# Allegro board 1155001-Timing_board_V3_20241024_1805_pcb.brd (continued)
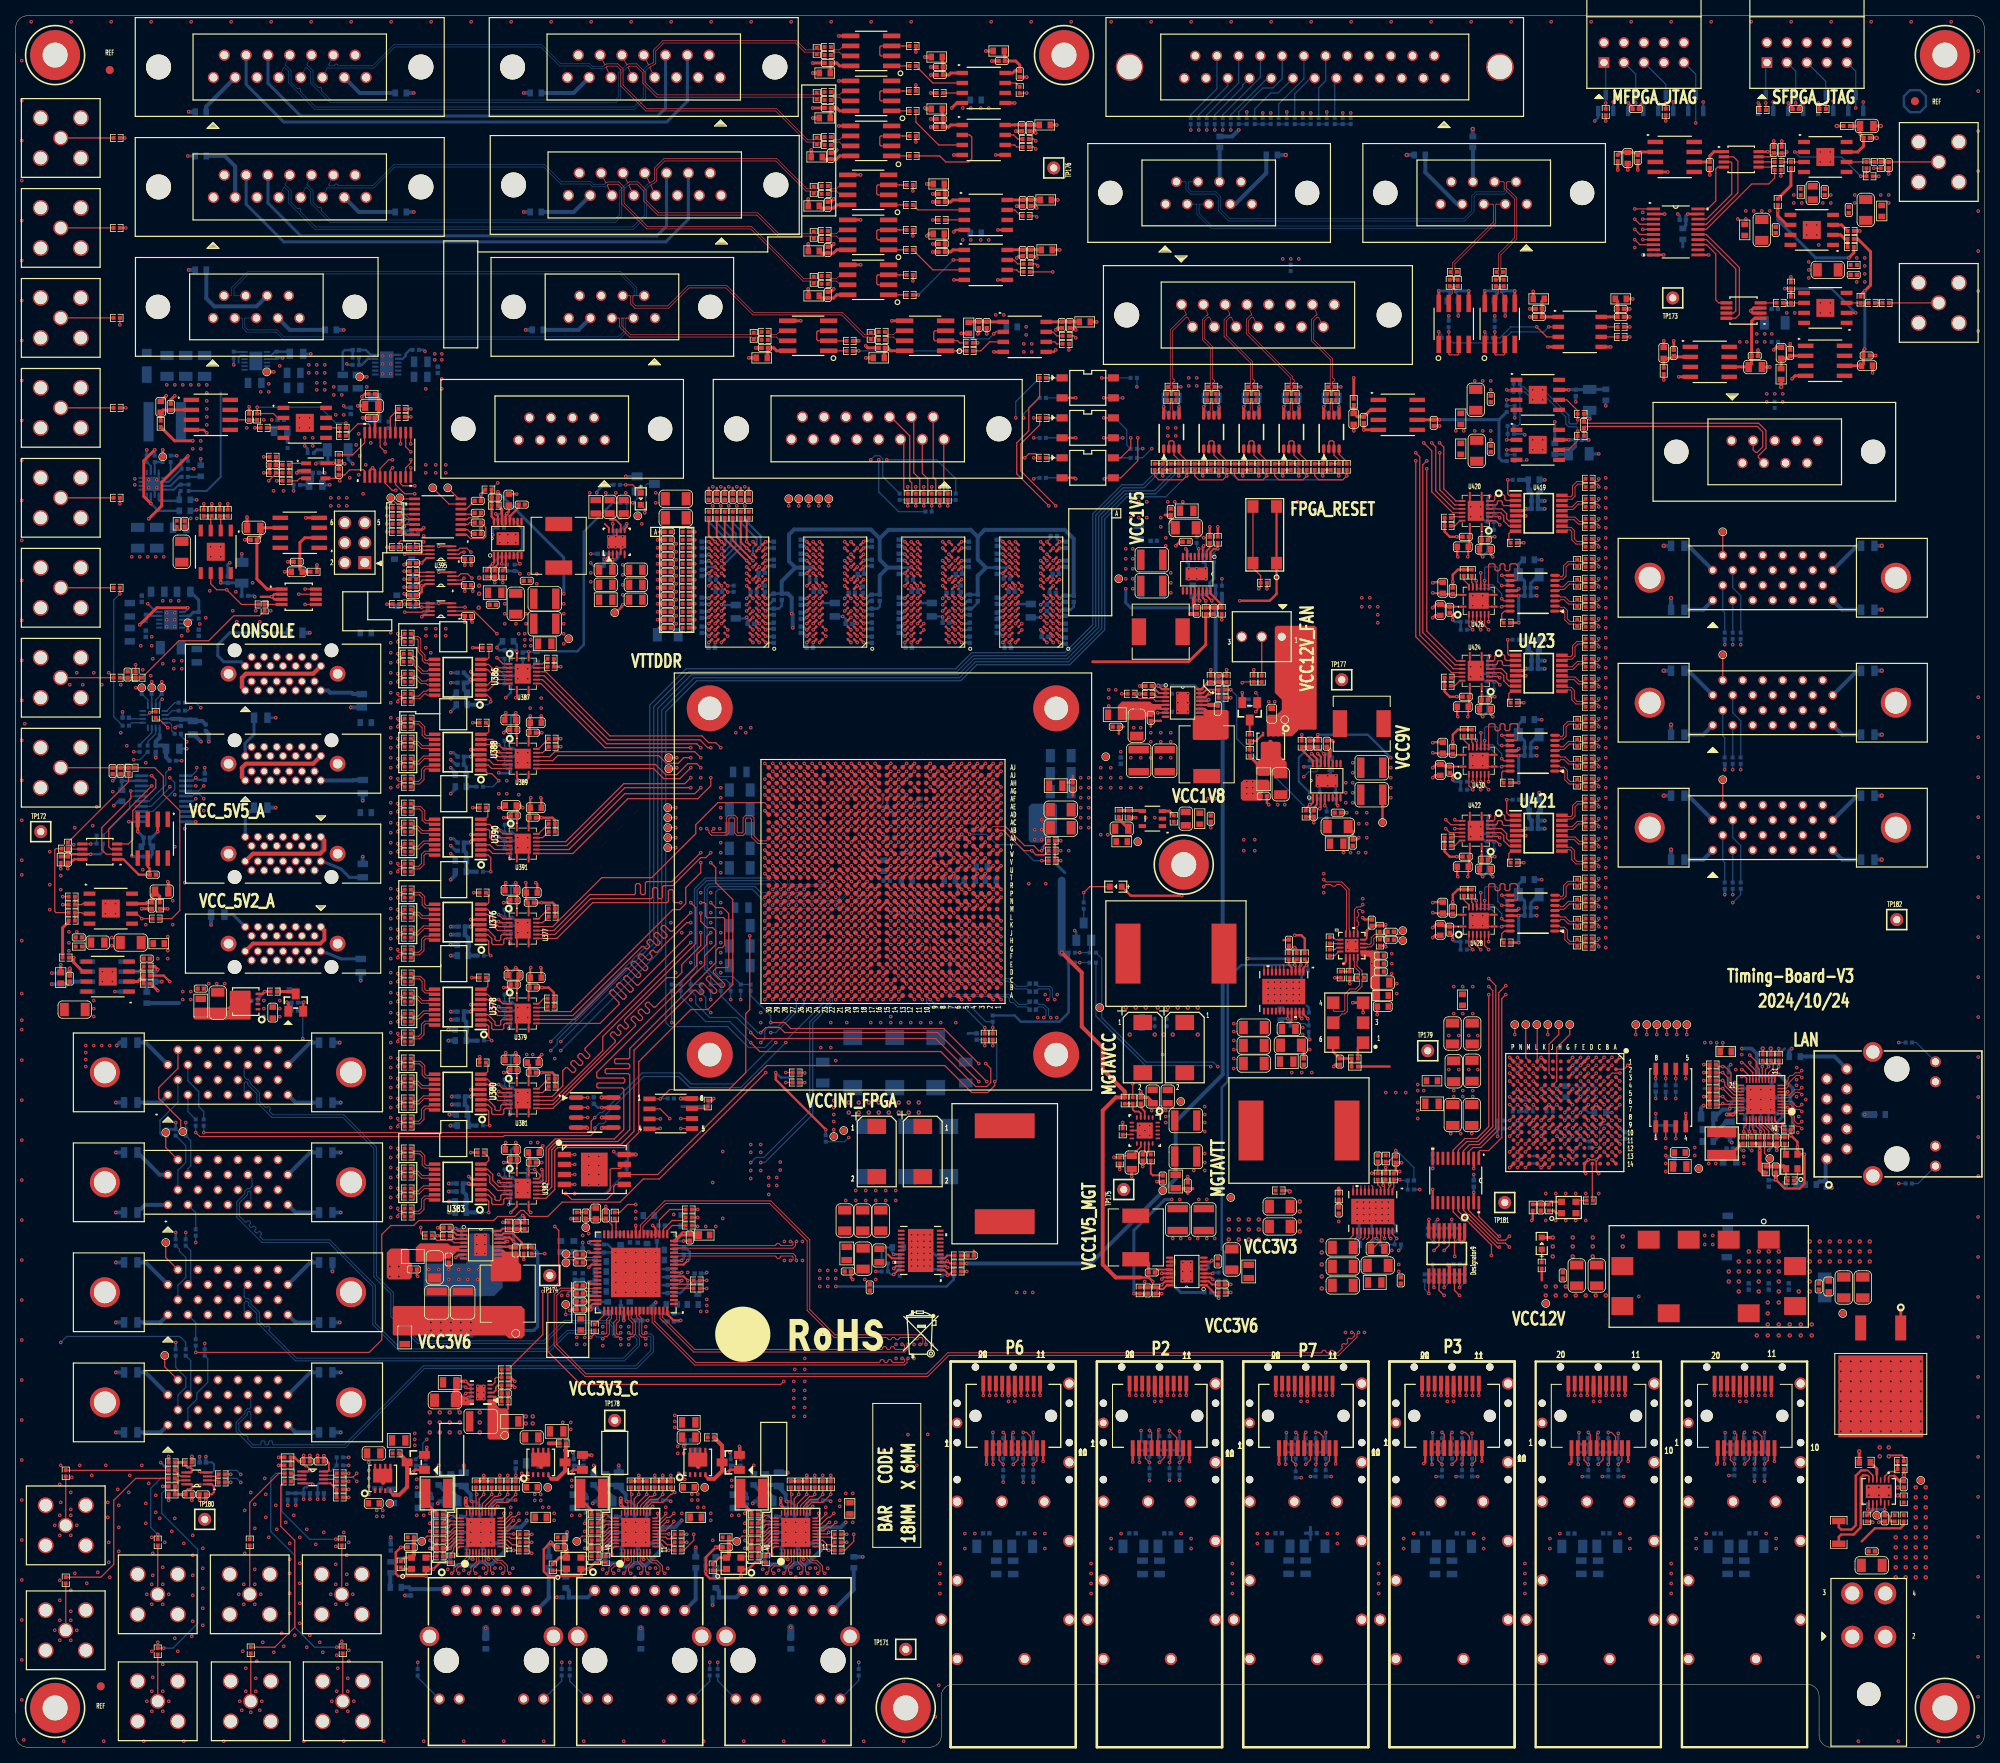
[diagram p0: board, top side]
## Routing (per net, layer and track width the routed paths; a pad name or vN(x,y) marks a point on that pad's centre or on a via; arc(x,y) is an arc through that point) (continued)
  ART03 w0.381: v1(169.42,97.03) 169.67,97.03 v1(172.21,99.57)
VCC3V3_C_PG: length 76.6
  TOP w0.157: U247.J27 v1(98.14,103) ; v1(66.93,57.91) 66.93,52.43 R1154.2
  ART10 w0.117: v1(98.14,103) 97.79,103 97.28,102.49 94.85,102.49 88.63,96.27 81.41,96.27 68.96,83.82 68.96,65.85 66.55,63.44 66.55,58.29 v1(66.93,57.91)
VCC3V3_FPGA: length 14.1
  TOP w0.305: U247.D30 v1(95.14,98) ; U247.H18 v1(107.14,102) ; U247.F14 v1(112.14,100) ; U247.A19 v1(106.14,95) ; U247.K12 v1(114.14,104) ; U247.D10 v1(116.14,98) ; U247.B26 v1(99.14,96) ; U247.A29 v1(96.14,95) ; U247.G11 v1(115.14,102) ; U247.G21 v1(104.14,101) ; U247.F24 v1(101.14,100) ; U247.H28 v1(97.14,102) ; U247.L19 v1(106.14,105) ; U247.C23 v1(102.14,97) ; U247.E27 v1(98.14,99) ; U247.E17 v1(108.14,99) ; U247.C13 v1(113.14,97) ; U247.B16 v1(109.14,96) ; U247.D20 v1(105.14,98) ; U247.J15 v1(111.14,103)
VCC3V3_FPGA_1_ETH:
  vias: v1(45.85,30.1) v1(45.85,29.34) v1(46.61,30.1) v1(46.61,29.34) v1(52.58,27.43) v1(53.72,35.81) v1(62.48,34.54) v1(66.93,30.48) v1(67.69,30.48)
VCC3V3_FPGA_1_ETH_TCT: length 1.9
  BOTTOM w0.508: R2785.2 47.56,22.09 L431.2
VCC3V3_FPGA_2_ETH: length 2.8
  TOP w0.381: R2482.1 R2481.1 ; R2481.1 R2478.1 ; R2481.1 v1(82.17,34.54)
  vias: v1(65.91,32.13) v1(65.91,31.37) v1(66.67,32.13) v1(66.67,31.37) v1(72.26,27.43) v1(73.41,35.81) v1(86.61,30.48) v1(87.38,30.48)
VCC3V3_FPGA_2_ETH_TCT: length 1.1
  BOTTOM w0.508: R2563.2 L374.2
VCC3V3_FPGA_3_ETH:
  vias: v1(85.85,32.17) v1(85.85,31.41) v1(86.61,32.17) v1(86.61,31.41) v1(88.52,26.29) v1(92.58,27.43) v1(93.73,35.81) v1(102.49,34.54) v1(104.65,31.37) v1(104.65,30.61)
VCC3V3_FPGA_3_ETH_TCT: length 1.1
  BOTTOM w0.508: R2564.2 L375.2
VCC3V3_PG: length 100
  TOP w0.157: U247.M20 v1(105.14,106)
  ART05 w0.117: v1(105.14,106) U247.M20 105.64,109.19 105.94,109.5 108.23,109.5 109.32,110.59 129.94,110.59 v1(130.81,109.72)
  ART08 w0.117: v1(130.81,109.72) 130.81,106.81 136.14,101.47 136.14,97.66 142.81,91 142.81,89.98 145.8,87 170.18,87 172.21,84.96 v1(172.21,72.94)
  BOTTOM w0.157: R1090.2 v1(172.21,72.94)
VCC3V3_S_FPGA: length 12.6
  TOP w0.305: U88.N13 v1(190.72,74.65) ; U88.K13 v1(193.72,74.65) ; U88.N8 v1(190.72,79.65) ; U88.G13 v1(197.72,74.65) ; U88.N6 v1(190.72,82.64)
  BOTTOM w0.254: C782.1 191.23,82.17 192.22,82.17 C790.1
  BOTTOM w0.305: C782.1 191.19,82.18 v1(190.72,82.64) 190.26,82.18 C786.1 ; C781.1 191.23,79.14 v1(190.72,79.65) 190.25,79.17 C789.1 ; C779.1 194.2,75.12 v1(193.72,74.65) 193.25,75.12 C787.1 193.24,75.12 C785.1 ; C783.1 191.16,74.2 v1(190.72,74.65) 190.28,74.2 C788.1 ; C778.1 197.22,75.15 v1(197.72,74.65) 198.22,75.14 C780.1
  vias: v1(182.63,83.44) v1(183.77,83.44) v1(185.04,83.44)
VCC3V3_SFPGA_ETH: length 14.7
  TOP w0.356: R865.1 R850.1
  TOP w0.381: R863.1 R862.1 ; R862.1 v1(214.38,85.72) ; R862.1 R857.1 ; v1(221.49,75.82) R865.1
  TOP w0.508: L45.2 221.89,73.01 221.49,73.41 v1(221.49,75.82)
  BOTTOM w0.356: R860.1 R861.1 R864.1 214.38,83.69 ; v1(221.49,75.82) R865.1 R850.1 ; R849.1 R851.1 223.92,88.03 224.66,88.77
  vias: v1(213.23,76.2) v1(213.23,75.18) v1(214.5,89.53) v1(215.26,89.53)
VCC3V3_SFPGA_ETH_TCT: length 1.1
  BOTTOM w0.508: L44.2 R833.2
VCC3V6_PG: length 58.6
  TOP w0.157: U247.H29 v1(96.14,102) ; v1(67.18,62.72) R1141.1
  ART10 w0.117: v1(67.18,62.72) 69.34,64.88 69.34,83.69 81.53,95.89 88.83,95.89 94.41,101.47 95.25,101.47 95.78,102 v1(96.14,102)
VCC5V: length 3.6
  TOP w0.356: L397.1 v1(18.67,33.15)
  TOP w0.381: L399.1 v1(33.38,35.81)
  BOTTOM w0.305: L393.1 v1(18.41,36.18)
  BOTTOM w0.381: L395.1 v1(34.54,30.73)
  vias: v1(8.89,89.15) v1(8.89,88.27) v1(8.89,87.38) v1(8.89,86.49) v1(40.01,158.75) v1(40.01,157.73) v1(41.02,158.75) v1(41.02,157.73) v1(42.04,158.75) v1(42.04,157.73) v1(51.82,153.92) v1(51.82,153.16) v1(63.88,141.48) v1(64.64,141.48) v1(64.64,140.72) v1(64.64,139.95) v1(65.41,140.72) v1(65.41,139.95)
VCC5V2_A: length 12.3
  TOP w0.305: L332.1 v1(5.71,111.63)
  TOP w0.381: L527.1 v1(169.93,173.99) ; L507.1 v2(224.2,172.85) ; L496.1 v1(203.45,200.41) ; L335.1 v1(38.25,150.22) ; L497.2 v1(224.28,204.09) ; L510.1 v1(209.3,173.74)
  BOTTOM w0.305: L336.2 13.02,120.2 v1(12.45,119.63) ; L47.1 v1(21.08,125.35)
  BOTTOM w0.381: L331.1 14.86,113.16 v1(14.73,113.28) ; L498.2 211.71,190.63
  vias: v1(40.39,172.85) v1(40.39,171.83) v1(41.4,171.83) v1(128.02,178.31) v1(128.02,177.29) v1(129.03,178.31) v1(129.03,177.29)
VCC5V_AD7680_ACS: length 9.8
  TOP w0.381: U443.1 220.83,181.56 220.45,181.18 C3112.2 220.45,175.75 C3113.1 220.05,175.39 U444.6
VCC5V_MAX5216_VREF: length 4.7
  TOP w0.381: U434.1 215.68,202.72 215.14,202.18 C3083.2 215.12,201.42 U433.6
VCC5V_PG: length 103.8
  TOP w0.157: U247.J28 v1(97.14,103)
  ART03 w0.117: v1(61.21,160.66) 59.94,160.66 54.15,154.86 54.15,140.54 55.58,139.12 55.58,137.46 56.34,136.7 56.34,134.67 57.66,133.35 57.66,131.95 58.67,130.94 58.67,116.93 61.81,113.79 68.45,113.79 v1(83.82,98.42)
  ART05 w0.102: v1(97.14,103) 96.74,103.4 94.89,103.4 94.61,103.12 94.36,103.12
  ART05 w0.117: 94.36,103.12 93.98,103.12 92.38,101.53 86.92,101.53 v1(83.82,98.42)
  BOTTOM w0.157: v1(61.21,160.66) 60.45,159.89 60.45,156.46 60.93,155.98 R2281.1
VCC9V: length 27.2
  TOP w0.254: U114.14 165.75,125.85 v1(165.35,126.24)
  TOP w0.305: TP42.1 173.58,121 C1169.1
  TOP w0.381: C1167.2 R1055.2 v1(165.35,128.65)
  ART08 w0.305: v1(174.62,124.46) 167.13,124.46 v1(165.35,126.24)
  BOTTOM w0.305: v1(174.62,125.73) 171.7,128.65 v1(165.35,128.65)
  vias: v1(174.62,123.19) v1(174.62,121.92) v1(174.62,120.65)
VCC9V_PG: length 75.6
  TOP w0.157: U247.J22 v1(104.14,103)
  ART03 w0.117: v1(157.35,115.32) 156.46,116.2 139.65,116.2 134.21,110.76 126.7,110.76 125.4,109.46 106.92,109.46 106.68,109.22 106.68,108.84 106.39,108.55 105.5,108.55 104.71,107.75 104.71,103.57 v1(104.14,103)
  ART08 w0.117: v1(157.35,115.32) 163.58,121.54 v1(163.58,123.32)
  BOTTOM w0.157: R1088.1 165.35,124.13 165.17,123.94 164.2,123.94 v1(163.58,123.32)
VCC10V_A: length 28.7
  TOP w0.381: L271.1 20.17,165.99 v1(22.48,165.99) ; L483.2 v1(5.71,99.44) ; L500.2 v2(231.27,205.99) ; v1(19.3,106.53) L322.1
  ART03 w0.508: v2(231.27,205.99) 222.63,205.99
  ART05 w0.381: 23.35,146.18 v1(30.35,146.18)
  BOTTOM w0.381: L531.2 v1(201.93,170.43) ; L529.2 v1(195.45,168.4) ; L478.1 30.23,146.3 v1(30.35,146.18) ; L267.1 37.06,164.99 v1(36.7,165.35)
  vias: v1(20.07,138.05) v1(20.07,137.03) v1(21.08,138.05) v1(21.08,137.03) v1(22.48,164.97) v1(23.5,165.99) v1(23.5,164.97) v1(36.7,166.37) v1(37.72,166.37) v1(37.72,165.35) v1(148.97,173.99) v1(148.97,172.97) v1(149.99,173.99) v1(149.99,172.97) v1(218.69,194.18) v1(218.95,178.56) v1(219.71,195.2) v1(219.71,194.18) v1(219.84,178.56) v1(221.11,178.56) v1(222.12,178.56)
VCC12V: length 21.4
  TOP w0.305: R2050.1 193.8,59.31
  BOTTOM w0.305: v1(104.14,58.55) 118.24,58.55 119.13,59.44 R1045.1
  BOTTOM w0.508: L482.1 20.74,94.55
  vias: v1(21.21,96.01) v1(21.21,95) v1(22.23,96.01) v1(22.23,95) v1(52.07,162.94) v1(52.07,161.93) v1(53.21,177.04) v1(53.21,176.28) v1(53.34,162.94) v1(53.34,161.93) v1(54.1,177.04) v1(54.1,176.28) v1(54.61,162.94) v1(54.61,161.93) v1(102.11,60.58) v1(102.11,59.56) v1(102.11,58.55) v1(103.12,60.58) v1(103.12,59.56) v1(103.12,58.55) v1(104.14,60.58) v1(104.14,59.56) v1(138.81,134.37) v1(138.81,133.34) v1(138.81,132.3) v1(139.7,134.36) v1(146.3,158.24) v1(147.19,158.24) v1(148.21,158.24) v1(156.34,122.68) v1(156.34,121.92) v1(156.34,121.16) v1(157.1,122.68) v1(157.1,121.92) v1(157.1,121.16) v1(162.05,85.72) v1(163.32,85.72) v1(164.59,85.72) v1(168.63,113.68) v1(169.52,113.68) v1(170.53,113.68) v1(171.45,113.67) v1(206.12,57.28) v2(47.5,61.09) v2(47.5,59.82) v2(48.64,61.09) v2(48.64,59.82) v2(58.8,144.78) v2(58.85,148.59) v2(58.85,147.57) v2(58.85,146.56) v2(194.31,58.55) v2(194.31,57.4) v2(195.58,58.55) v2(195.58,57.4) v2(196.85,58.55) v2(196.85,57.4) v2(198.12,57.4) v2(199.39,57.4) v2(200.66,57.4) v2(201.93,57.4)
VCC12V_EDS_ON:
  vias: v1(31.51,94.88) v1(31.51,93.86) v1(33.53,94.87) v1(33.53,93.85)
VCC12V_EDS_ON_EN: length 79.3
  TOP w0.122: U247.M23 v1(102.14,106)
  ART08 w0.117: v1(84.58,103.5) 84.58,104.14 83.44,105.28 69.22,105.28 65.53,101.6 59.33,101.6 49.38,91.64 44.53,91.64 42.93,90.04 v1(36.45,90.04)
  ART10 w0.117: v1(84.58,103.5) 85.34,102.74 92.08,102.74 94.83,105.5 101.64,105.5 v1(102.14,106)
  BOTTOM w0.157: v1(36.45,90.04) 36.45,92.98 R3327.2
VCC12V_FAN_EN: length 77.8
  TOP w0.157: U247.P19 v1(107.14,109)
  ART03 w0.117: v1(107.14,109) 107.59,108.55 132.52,108.55 139.8,115.82 156.08,115.82 156.72,115.19 156.72,114.55 v1(157.35,113.92)
  ART08 w0.117: v1(157.35,113.92) 156.59,114.68 156.59,115.4 155.65,116.34 155.65,132.15 v1(157.48,133.99)
  BOTTOM w0.157: R1197.2 157.75,133.71 v1(157.48,133.99)
VCC12V_IN: length 13.7
  TOP w0.254: R1040.1 239.8,36.81 239.52,37.08 237.96,37.08
  TOP w0.305: R1033.1 235.73,28.68 v1(235.84,28.57)
  ART03 w0.381: v2(236.73,36.96) 234.44,34.67 234.44,28.96 234.82,28.57 v1(235.84,28.57)
  vias: v2(218.82,57.91) v2(221.11,52.32) v2(221.36,57.91) v2(222.5,56.52) v2(222.5,55.12) v2(222.5,53.72) v2(222.5,52.32) v2(223.9,57.91) v2(223.9,56.52) v2(223.9,53.72) v2(223.9,52.32) v2(225.3,53.72) v2(225.3,52.32) v2(226.44,57.91) v2(226.69,53.72) v2(226.69,52.32) v2(227.84,57.91) v2(228.09,53.72) v2(228.09,52.32) v2(236.73,38.1) v2(237.87,38.1) v2(237.87,36.96)
VCC12V_IN_CON: length 18.8
  TOP w0.203: U112.6 235.35,34.4 235.2,34.54 234.95,34.54
  TOP w0.305: 234.44,26.16 236.09,27.81 239.34,27.81 239.78,28.24 R1037.1 ; R1034.1 231.52,26.72 231.83,27.03 233.41,27.03 234.31,27.93 234.31,34.24 234.62,34.54 234.95,34.54
VCC-2V5_VREF: length 5
  TOP w0.381: R3113.2 6.71,104.88 5.95,104.12 R3130.2
VCC-2V5_VREF_ACS: length 4.6
  TOP w0.381: R3340.2 225.44,198.41 R3284.1
VCC-10V4_A: length 17.1
  BOTTOM w0.229: 28.3,175.91 28.3,176.6 28.52,176.82 U239.5
  BOTTOM w0.254: R3124.1 24.24,159.62 26.04,161.42 26.04,172.13
VCC-10V_A: length 0.8
  BOTTOM w0.381: L268.1 v1(35.29,159.64)
  vias: v1(6.75,102.22) v1(6.75,101.2) v1(19.3,103) v1(19.3,101.22) v1(32.75,159.64) v1(34.02,159.64) v1(38.23,173.35) v1(38.23,172.47) v1(39.24,173.35) v1(39.24,172.47) v1(146.3,167.64) v1(146.3,166.62) v1(147.32,167.64) v1(147.32,166.62) v1(182.88,167.26) v1(183.9,167.26) v1(225.81,197.23) v1(225.81,196.22) v1(226.82,196.22) v1(233.81,189.23) v1(234.82,189.23) v1(234.82,188.21) v1(236.85,197.23) v1(237.87,197.23) v1(237.87,196.22)
VCC_BPSI: length 24.8
  TOP w0.508: J77.1 28.71,134.71 28.71,135.89 29.22,136.4 37.77,136.4 J77.26
  BOTTOM w0.508: J77.26 37.77,136.4 29.34,136.4 28.83,135.89 28.83,134.59 J77.1
VCC_BPSR: length 24.6
  TOP w0.508: J80.26 30.13,113.54 38.69,113.54 39.19,114.05 39.19,115.22 J80.1
  BOTTOM w0.508: J80.26 30.13,113.54 38.48,113.54 38.99,114.05 38.99,115.43 J80.1
VCC_BPSR2: length 24.8
  TOP w0.508: J104.1 28.71,123.28 28.71,124.46 29.22,124.97 37.77,124.97 J104.26
  BOTTOM w0.508: J104.1 28.83,123.16 28.83,124.46 29.34,124.97 37.77,124.97 J104.26
VCC_EDS: length 12.5
  TOP w0.508: J81.26 30.13,102.11 38.69,102.11 39.19,102.62 39.19,103.79 J81.1
VCCAUX: length 8.6
  TOP w0.305: U247.C10 v1(116.14,97) ; U247.V11 v1(115.14,113) ; U247.V13 v1(113.14,113) ; U247.W14 v1(111.14,114) ; U247.V15 v1(111.14,113) ; U247.T13 v1(113.14,111) ; U247.P13 v1(113.14,108) ; U247.W12 v1(114.14,114) ; U247.W10 v1(116.14,114)
  BOTTOM w0.305: v1(115.14,113) U247.V11 C420.1 ; v1(113.14,113) 112.62,112.49 C422.1 ; v1(113.14,108) 112.67,108.47 C419.1
  vias: v1(129.41,116.59) v1(129.41,115.32) v1(130.3,117.86) v1(130.3,116.59) v1(130.3,115.32)
VCCINT_FPGA: length 32.4
  TOP w0.254: R1047.2 v1(120.78,60.45)
  TOP w0.305: U247.M13 v1(113.14,106) ; U247.U16 v1(109.14,112) ; U247.N12 v1(114.14,107) ; U247.W18 v1(108.14,113) U247.V17 ; U247.P17 v1(108.14,108) ; U247.R12 v1(114.14,109) ; U247.T11 v1(115.14,111) ; U247.M11 v1(115.14,106) ; U247.M17 v1(108.14,106) ; U247.M15 v1(111.14,106) ; U247.U10 v1(116.14,112) ; U247.N10 v1(116.14,107) ; U247.R10 v1(116.14,109) ; U247.R16 v1(109.14,109) ; U247.P11 v1(115.14,108) ; U247.U18 v1(107.14,112) ; U247.R18 v1(108.14,110) ; U247.N14 v1(112.14,107) ; U247.W16 v1(109.14,114) ; U247.N16 v1(109.14,107) ; U247.U12 v1(114.14,112) ; U247.N18 v1(107.14,107) ; U247.T17 v1(108.14,111)
  ART03 w0.305: v2(110.87,80.64) 111.12,80.39
  ART03 w0.381: v1(120.78,60.45) 123.32,62.99
  BOTTOM w0.305: C152.1 108.68,109.46 v1(109.14,109) ; C151.1 107.64,108.5 v1(108.14,108) 107.66,107.52 C500.1 107.17,107 v1(107.14,107) ; C498.1 108.67,111.53 v1(109.14,112) ; v1(112.14,107) 112.64,106.5 C497.1 ; C501.1 113.61,106.47 v1(113.14,106) ; C153.1 111.61,106.47 v1(111.14,106) ; v1(107.14,112) 107.61,111.53 C503.1 ; v1(114.14,109) 114.64,108.5 C496.1 ; v1(114.14,107) 114.64,106.5 C504.1 ; v1(108.14,113) 107.64,113.5 C502.1 ; C499.1 107.64,109.5 v1(108.14,110) ; C495.1 115.64,108.5 v1(116.14,109) ; v1(109.14,114) 108.67,113.53 C150.1
  vias: v1(178.05,81.92) v1(178.05,80.9) v1(178.05,79.88) v2(105.79,81.92) v2(105.79,80.64) v2(107.06,81.92) v2(107.06,80.64) v2(108.33,81.92) v2(108.33,80.64) v2(109.6,81.92) v2(109.6,80.64) v2(110.87,81.92) v2(112.14,81.92) v2(112.14,80.64) v2(113.41,81.92) v2(113.41,80.64) v2(114.68,81.92) v2(114.68,80.64)
VCCINT_FPGA_PG: length 124.8
  TOP w0.157: R1059.1 v1(140.46,133.86)
  TOP w0.254: R1041.2 118.64,61.47 v1(118.31,61.8) 118.13,61.62 U113.3
  ART05 w0.305: v1(118.31,61.8) 119.76,63.25 119.76,81.79 121.28,83.31 121.28,88.27 123.83,90.81 138.94,90.81 141.73,88.01 v1(145.67,88.01)
  ART08 w0.305: v1(145.67,88.01) 156.46,98.81 v1(156.46,100.2) 156.46,110.87 153.92,113.41 153.92,129.92 151.64,132.21 142.11,132.21 v1(140.46,133.86)
  BOTTOM w0.305: R1101.2 v1(156.46,100.2)
VCCINT_S_FPGA: length 14.3
  TOP w0.305: U88.K8 v1(193.72,79.65) ; U88.D6 v1(200.72,82.64) ; U88.E7 v1(199.72,81.64) ; U88.F6 v1(198.72,82.64) ; U88.G5 v1(197.72,83.64) ; U88.E9 v1(199.72,78.65) ; U88.J5 v1(194.72,83.64) ; U88.J9 v1(194.72,78.65) ; U88.H6 v1(195.72,82.64) ; U88.E5 v1(199.72,83.64) ; U88.G9 v1(196.72,78.65) ; U88.D8 v1(200.72,79.65) ; U88.K6 v1(193.72,82.64)
  BOTTOM w0.305: v1(193.72,82.64) 194.22,83.14 C759.1 ; C767.1 200.2,78.17 v1(199.72,78.65) ; v1(200.72,82.64) 200.22,83.15 C757.1 ; C753.1 198.22,83.15 v1(198.72,82.64) 199.22,83.14 C754.1 ; C758.1 U88.J5 v1(195.72,82.64) ; v1(196.72,78.65) 197.23,78.14 C768.1
  vias: v1(182.63,82.68) v1(183.77,82.68) v1(185.04,82.68)
ACS_ANALOG_OUT: length 7.4
  TOP w0.157: R3398.2 C3114.2 J126.1
ACS_ANALOG_OUT_DB: length 61.9
  TOP w0.157: R3398.1 v1(235.97,200.62)
  ART05 w0.117: v1(191.9,163.58) 196.22,163.58 227.97,195.33 230.67,195.33 v1(235.97,200.62)
  BOTTOM w0.157: v1(191.9,163.58) 191.75,163.43 R3410.1
ACS_ANALOG_OUT_DB_N: length 29.4
  TOP w0.157: J130.7 221.32,163.88 221.32,164.1 222.28,165.06 222.28,167.3 221.35,168.22 199.35,168.22 C3151.1 R3402.2
ACS_ANALOG_OUT_DB_P: length 28.8
  TOP w0.157: J130.2 220.65,164.84 220.96,164.54 221.18,164.54 221.87,165.23 221.87,167.13 221.18,167.82 199.35,167.82 C3151.2 R3409.2
ACS_VREF: length 17.8
  TOP w0.381: U454.6 180.07,168.66 C3138.2 v1(180.83,168.68)
  BOTTOM w0.381: R3405.2 188.38,168.68 ; 188.38,168.68 v1(180.83,168.68) ; 188.38,168.68 188.38,163.81 188.76,163.43 R3407.2
AD5445_CSN: length 171.9
  TOP w0.157: U271.16 v1(46.92,165.61) ; U247.K19 v1(106.14,104)
  ART03 w0.117: v1(46.92,165.61) 47.34,166.03 50.5,166.03 51.03,165.51 51.03,161.67 52.63,160.07 52.63,145.16 52.9,144.89 52.9,140.8 54.82,138.88 54.82,134.86 56.97,132.72 56.97,102.81 61.67,98.12 64.06,98.12 80.64,81.53 90.42,81.53 96.14,75.82 96.14,71.88 v1(96.65,71.37)
  ART10 w0.102: v1(106.14,104) 106.68,104.54 106.68,105.16 106.92,105.4 107.3,105.4 107.54,105.17 107.54,103.52 107.66,103.4 109.3,103.4 109.58,103.13 109.58,102.51 110.54,101.55 110.54,94.79 110.32,94.57 110.32,94.5
  ART10 w0.117: v1(96.65,71.37) 98.17,71.37 104.95,78.16 104.95,83.62 110.32,88.99 110.32,94.5
AD5445_DB0: length 187.4
  TOP w0.157: v1(50.17,170.05) R2077.2 ; U247.K20 v1(105.14,104)
  ART03 w0.117: v1(50.17,170.05) 46.23,166.11 46.23,138.56 47.45,137.34 49.78,137.34 51.16,135.97 51.16,131.35 52.65,129.85 52.65,90.86 58.67,84.84 64.03,84.84 69.38,79.48 69.38,77.81 71.25,75.95 74.17,75.95 75.44,74.68 86.36,74.68 90.8,70.23 v1(95.63,70.23)
  ART10 w0.102: 110.62,94.5 110.74,94.62 110.74,101.73 109.86,102.61 109.86,103.13 109.39,103.6 107.88,103.6 107.74,103.74 107.74,105.33 107.47,105.6 105.86,105.6 105.54,105.28 105.54,104.4 v1(105.14,104)
  ART10 w0.117: 110.62,94.5 110.62,88.78 105.29,83.44 105.29,77.85 97.66,70.23 v1(95.63,70.23)
AD5445_DB1: length 165.7
  TOP w0.157: U247.H21 v1(104.14,102) ; v1(50.17,169.04) R2078.2
  ART03 w0.117: v1(50.17,169.04) 51.33,167.88 51.33,161.79 52.93,160.19 52.93,145.29 53.85,144.37 53.85,140.34 55.24,138.94 55.24,137.29 56.01,136.53 56.01,134.49 57.28,133.22 57.28,103.02 61.82,98.48 64.21,98.48 80.77,81.92 90.55,81.92 96.65,75.82 v1(96.65,72.39)
  ART10 w0.102: v1(104.14,102) 104.56,102 104.95,102.4 108.33,102.4 108.58,102.14 108.58,101.73 108.84,101.47 109.35,101.47 109.54,101.28 109.54,94.59 109.45,94.5
  ART10 w0.117: v1(96.65,72.39) 97.79,72.39 103.45,78.05 103.45,83.13 109.1,88.78 109.1,94.16 109.45,94.5
AD5445_DB2: length 168.3
  TOP w0.157: U247.H22 v1(103.14,102) ; U271.13 v1(48.87,165.61)
  ART03 w0.117: v1(48.87,165.61) 47.02,163.75 47.02,159.39 48.01,158.4 48.01,143.26 49.23,142.03 49.23,139.28 51.77,136.75 51.77,131.6 53.26,130.1 53.26,97.87 56.01,95.12 56.01,91.87 61.59,86.29 63.55,86.29 70.1,79.73 70.1,78.11 71.55,76.67 85.38,76.67 90.3,71.75 95,71.75 v1(95.63,72.39)
  ART10 w0.102: v1(103.14,102) 103.57,102 103.97,101.6 107.44,101.6 107.74,101.3 107.74,94.5
  ART10 w0.117: 107.74,94.5 107.74,94.43 107.56,94.25 107.56,88.77 102.56,83.77 102.56,80.44 96.52,74.39 96.52,73.28 v1(95.63,72.39)
AD5445_DB3: length 147.5
  TOP w0.157: v1(50.17,164.59) 49.52,165.24 U271.12 ; U247.D21 v1(104.14,98)
  ART03 w0.117: v1(93.34,74.3) 88.59,79.05 80.59,79.05 64.01,95.63 61.59,95.63 56.01,101.22 55.12,101.22 54.79,101.55 54.79,130.76 53.29,132.26 53.29,137.41 50.76,139.94 50.76,142.86 50.5,143.13 50.5,150.98 50.19,151.28 50.19,158.57 49.63,159.13 49.63,164.05 v1(50.17,164.59)
  BOTTOM w0.102: v1(104.14,98) 104.1,98 103.54,97.44 103.54,94.83 103.2,94.5
  BOTTOM w0.157: 103.2,94.5 100.84,92.14 100.84,80.77 95,74.93 93.98,74.93 v1(93.34,74.3)
AD5445_DB4: length 150.8
  TOP w0.157: U247.C21 v1(104.14,97) ; v1(50.17,165.61) U271.11
  ART03 w0.117: v1(94.61,74.3) 94.11,73.79 90.3,73.79 85.89,78.19 72.18,78.19 71.63,78.75 71.63,80.26 64.15,87.74 64.15,89.01 54.48,98.68 54.48,130.63 52.98,132.13 52.98,137.29 50.46,139.81 50.46,142.74 50.19,143 50.19,150.85 49.89,151.16 49.89,158.44 49.33,159 49.33,164.77 v1(50.17,165.61)
  BOTTOM w0.102: v1(104.14,97) 104.09,97 103.74,96.65 103.74,94.56 103.68,94.5
  BOTTOM w0.157: v1(94.61,74.3) 95.12,74.3 101.22,80.39 101.22,92.04 103.68,94.5
AD5445_DB5: length 145.2
  TOP w0.157: v1(50.17,162.56) U271.10 ; U247.G22 v1(103.14,101)
  ART03 w0.117: v1(94.61,75.59) 94.59,75.59 94.11,76.07 94.11,76.58 89.92,80.77 80.39,80.77 63.77,97.39 61.36,97.39 56.36,102.39 56.36,131.47 54.21,133.62 54.21,138.62 52.12,140.72 51.94,140.72 51.68,140.98 51.68,142.49 52.02,142.82 52.02,150.93 51.1,151.84 51.1,160.73 50.17,161.67 v1(50.17,162.56)
  ART10 w0.102: 104.74,94.5 104.74,98.25 104.39,98.6 103.97,98.6 103.74,98.83 103.74,100.4 v1(103.14,101)
  ART10 w0.117: v1(94.61,75.59) 99.53,80.51 99.53,85.81 101.8,88.07 101.8,91.39 104.74,94.32 104.74,94.5
AD5445_DB6: length 143.9
  TOP w0.157: v1(50.17,163.58) 50.17,163.2 49.52,162.55 U271.9 ; U247.F22 v1(103.14,100)
  ART03 w0.117: v1(50.17,163.58) 50.72,163.02 50.72,161.54 52.32,159.94 52.32,145.03 52.58,144.78 52.58,140.69 54.52,138.75 54.52,134.74 56.67,132.59 56.67,102.6 61.51,97.75 63.92,97.75 80.52,81.15 90.04,81.15 v1(94.61,76.58)
  ART10 w0.102: 104.44,94.5 104.44,94.74 104.54,94.83 104.54,98.17 104.3,98.4 103.86,98.4 103.54,98.72 103.54,99.6 v1(103.14,100)
  ART10 w0.117: 104.44,94.5 104.44,94.45 101.51,91.51 101.51,88.2 99.24,85.93 99.24,81.21 v1(94.61,76.58)
AD5445_DB7: length 139.8
  TOP w0.157: U271.8 48.87,160.55 49.15,160.27 v1(50.67,160.27) ; U247.D22 v1(103.14,98)
  ART03 w0.117: v1(50.67,160.27) 50.16,159.77 50.16,159.13 50.5,158.8 50.5,151.43 50.8,151.13 50.8,143.26 51.07,142.99 51.07,140.08 53.59,137.55 53.59,132.38 55.75,130.23 55.75,101.98 61.74,95.99 64.15,95.99 80.75,79.4 89.54,79.4 v1(93.34,75.59)
  ART10 w0.102: v1(103.14,98) 103.74,97.4 103.74,94.5
  ART10 w0.117: v1(93.34,75.59) 93.85,76.1 93.85,77.34 98.95,82.44 98.95,86.05 101.21,88.32 101.21,91.63 103.74,94.16 103.74,94.5
AD5445_DB8: length 136.8
  TOP w0.157: v1(50.67,159.26) 49.4,159.26 48.22,160.44 U271.7 ; U247.C22 v1(103.14,97)
  ART03 w0.117: v1(93.34,76.58) 89.53,80.39 80.26,80.39 63.63,97.03 61.21,97.03 56.06,102.18 56.06,131.35 53.91,133.49 53.91,138.5 52.07,140.34 51.82,140.34 51.37,140.78 51.37,143.19 51.1,143.46 51.1,151.33 50.8,151.64 50.8,159.13 v1(50.67,159.26)
  ART10 w0.102: 103.44,94.5 103.44,94.62 103.54,94.71 103.54,96.6 v1(103.14,97)
  ART10 w0.117: v1(93.34,76.58) 93.34,77.47 98.65,82.78 98.65,86.17 100.92,88.44 100.92,91.75 103.44,94.28 103.44,94.5
AD5445_DB9: length 157.8
  TOP w0.157: v1(47.85,162.56) 47.57,162.28 U271.6 ; U247.F21 v1(104.14,100)
  ART03 w0.117: v1(94.61,73.28) 94.11,72.77 90.3,72.77 85.64,77.43 71.86,77.43 70.87,78.43 70.87,80 63.85,87.01 61.9,87.01 56.77,92.14 56.77,95.38 53.87,98.27 53.87,130.35 52.37,131.85 52.37,137.03 49.85,139.56 49.85,142.43 48.62,143.66 48.62,158.65 47.62,159.64 47.62,162.33 v1(47.85,162.56)
  ART10 w0.102: 106.3,94.6 106.54,94.83 106.54,100.17 106.3,100.4 104.54,100.4 v1(104.14,100)
  ART10 w0.117: 106.3,94.6 106.3,93.73 105.03,92.46 105.03,88.9 101.45,85.32 101.45,80.96 95.25,74.76 95.25,74.17 94.61,73.53 v1(94.61,73.28)
AD5445_DB10: length 151.5
  TOP w0.157: U271.5 46.92,160.6 47.82,159.7 v1(48.26,159.7) ; U247.E21 v1(104.14,99)
  ART03 w0.117: v1(48.26,159.7) 48.92,159.04 48.92,151.36 49.89,150.39 49.89,142.88 50.15,142.61 50.15,139.69 52.68,137.16 52.68,131.98 54.18,130.48 54.18,98.48 57.15,95.5 57.15,92.27 62.05,87.38 64,87.38 71.25,80.13 71.25,78.59 72.02,77.81 85.76,77.81 90.3,73.28 v1(93.34,73.28)
  ART10 w0.102: 105.2,94.5 105.54,94.83 105.54,98.43 105.41,98.55 104.9,98.55 104.45,99 v1(104.14,99)
  ART10 w0.117: v1(93.34,73.28) 93.8,73.74 93.8,74.75 94.21,75.16 94.79,75.16 100.71,81.08 100.71,85.72 102.87,87.88 102.87,89.28 104.27,90.68 104.27,93.09 105.16,93.98 105.16,94.45 105.2,94.5
AD5445_DB11: length 158.9
  TOP w0.157: U247.F20 v1(105.14,100) ; U271.4 46.27,162.47 47.37,163.58 v1(47.85,163.58)
  ART03 w0.117: v1(47.85,163.58) 47.32,163.04 47.32,159.51 48.31,158.52 48.31,143.46 49.54,142.23 49.54,139.44 52.07,136.91 52.07,131.73 53.57,130.23 53.57,98.07 56.39,95.25 56.39,92.01 61.75,86.65 63.7,86.65 70.48,79.87 70.48,78.27 71.71,77.05 85.51,77.05 90.3,72.26 v1(93.34,72.26)
  ART10 w0.102: 105.74,94.62 105.74,99.4 v1(105.14,100)
  ART10 w0.117: v1(93.34,72.26) 94.13,73.05 94.13,74.57 94.36,74.8 94.87,74.8 101.1,81.03 101.1,85.61 104.65,89.15 104.65,92.58 105.74,93.67 105.74,94.62
AD5445_R_WN: length 175.9
  TOP w0.157: U247.L18 v1(107.14,105) ; U271.17 46.27,165.24 v1(46.92,164.59)
  ART03 w0.117: v1(46.92,164.59) 46.71,164.38 46.71,159.03 47.7,158.04 47.7,144.4 47.12,143.81 47.12,140.08 47.5,139.7 48.77,139.7 48.93,139.54 48.93,139.16 51.46,136.63 51.46,131.47 52.96,129.98 52.96,91.06 58.82,85.2 64.18,85.2 69.76,79.62 69.76,77.97 71.4,76.33 85.22,76.33 90.17,71.37 v1(95.63,71.37)
  ART10 w0.102: v1(107.14,105) 107.14,104.6 106.74,104.2 106.74,102.83 106.97,102.6 109.11,102.6 109.74,101.97 109.74,94.5
  ART10 w0.117: v1(95.63,71.37) 96.14,71.88 98.04,71.88 104.52,78.35 104.52,83.69 109.44,88.61 109.44,93.95 109.74,94.25 109.74,94.5
AD5592_1_SPI_CLK: length 105.6
  TOP w0.157: U247.F27 v1(98.14,100)
  ART05 w0.102: 94.64,99.58 94.66,99.6 97.74,99.6 v1(98.14,100)
  ART05 w0.117: 94.64,99.58 94.24,99.58 91.31,96.65 80.2,96.65 62.57,114.28 62.57,118.53 62.36,118.75 62.36,119.77 62.24,119.89 61.69,119.89 61.57,120.01 61.57,120.24 61.69,120.36 62.24,120.36 62.36,120.47 v1(62.36,121.16)
  ART10 w0.117: v1(62.36,121.16) 62.87,121.67 62.87,122.94 62.57,123.23 50.58,123.23 48.76,121.41 26.8,121.41 24.77,123.44 24.77,126.3 23.94,127.12 23.94,130.37 v1(22.23,132.08)
  BOTTOM w0.157: R944.2 21.84,131.7 v1(22.23,132.08)
AD5592_1_SPI_CS_B: length 105.6
  TOP w0.157: U247.G27 v1(98.14,101)
  ART05 w0.102: 94.64,100.46 94.7,100.4 97.54,100.4 v1(98.14,101)
  ART05 w0.117: 94.64,100.46 93.98,100.46 91.06,97.54 80.57,97.54 66.65,111.45 66.65,111.62 67.08,112.05 67.08,112.21 66.92,112.38 66.75,112.38 66.32,111.95 66.16,111.95 65.99,112.11 65.99,112.28 66.42,112.71 66.42,112.88 66.26,113.04 66.09,113.04 65.66,112.61 65.5,112.61 65.33,112.78 65.33,112.94 65.76,113.37 65.76,113.54 65.6,113.7 65.43,113.7 65,113.27 64.83,113.27 64.52,113.59 64.52,118.24 63.44,119.31 63.44,121.72 v1(62.36,122.81)
  ART10 w0.117: v1(21.72,127.76) 23.5,125.98 23.5,124.08 26.67,120.9 49.45,120.9 arc(49.62,120.97) 49.68,121.14 49.68,121.22 arc(49.92,121.45) 50.15,121.22 50.15,121.14 arc(50.39,120.9) 50.62,121.14 50.62,121.22 arc(50.85,121.45) 51.09,121.22 51.09,121.14 arc(51.16,120.97) 51.32,120.9 51.94,120.9 53.59,122.56 55.63,122.56 56.39,121.79 61.34,121.79 v1(62.36,122.81)
  BOTTOM w0.157: R943.2 20.97,128.5 v1(21.72,127.76)
